# Altium PCB DM1092.PcbDoc (part 2 of 5) (continued)
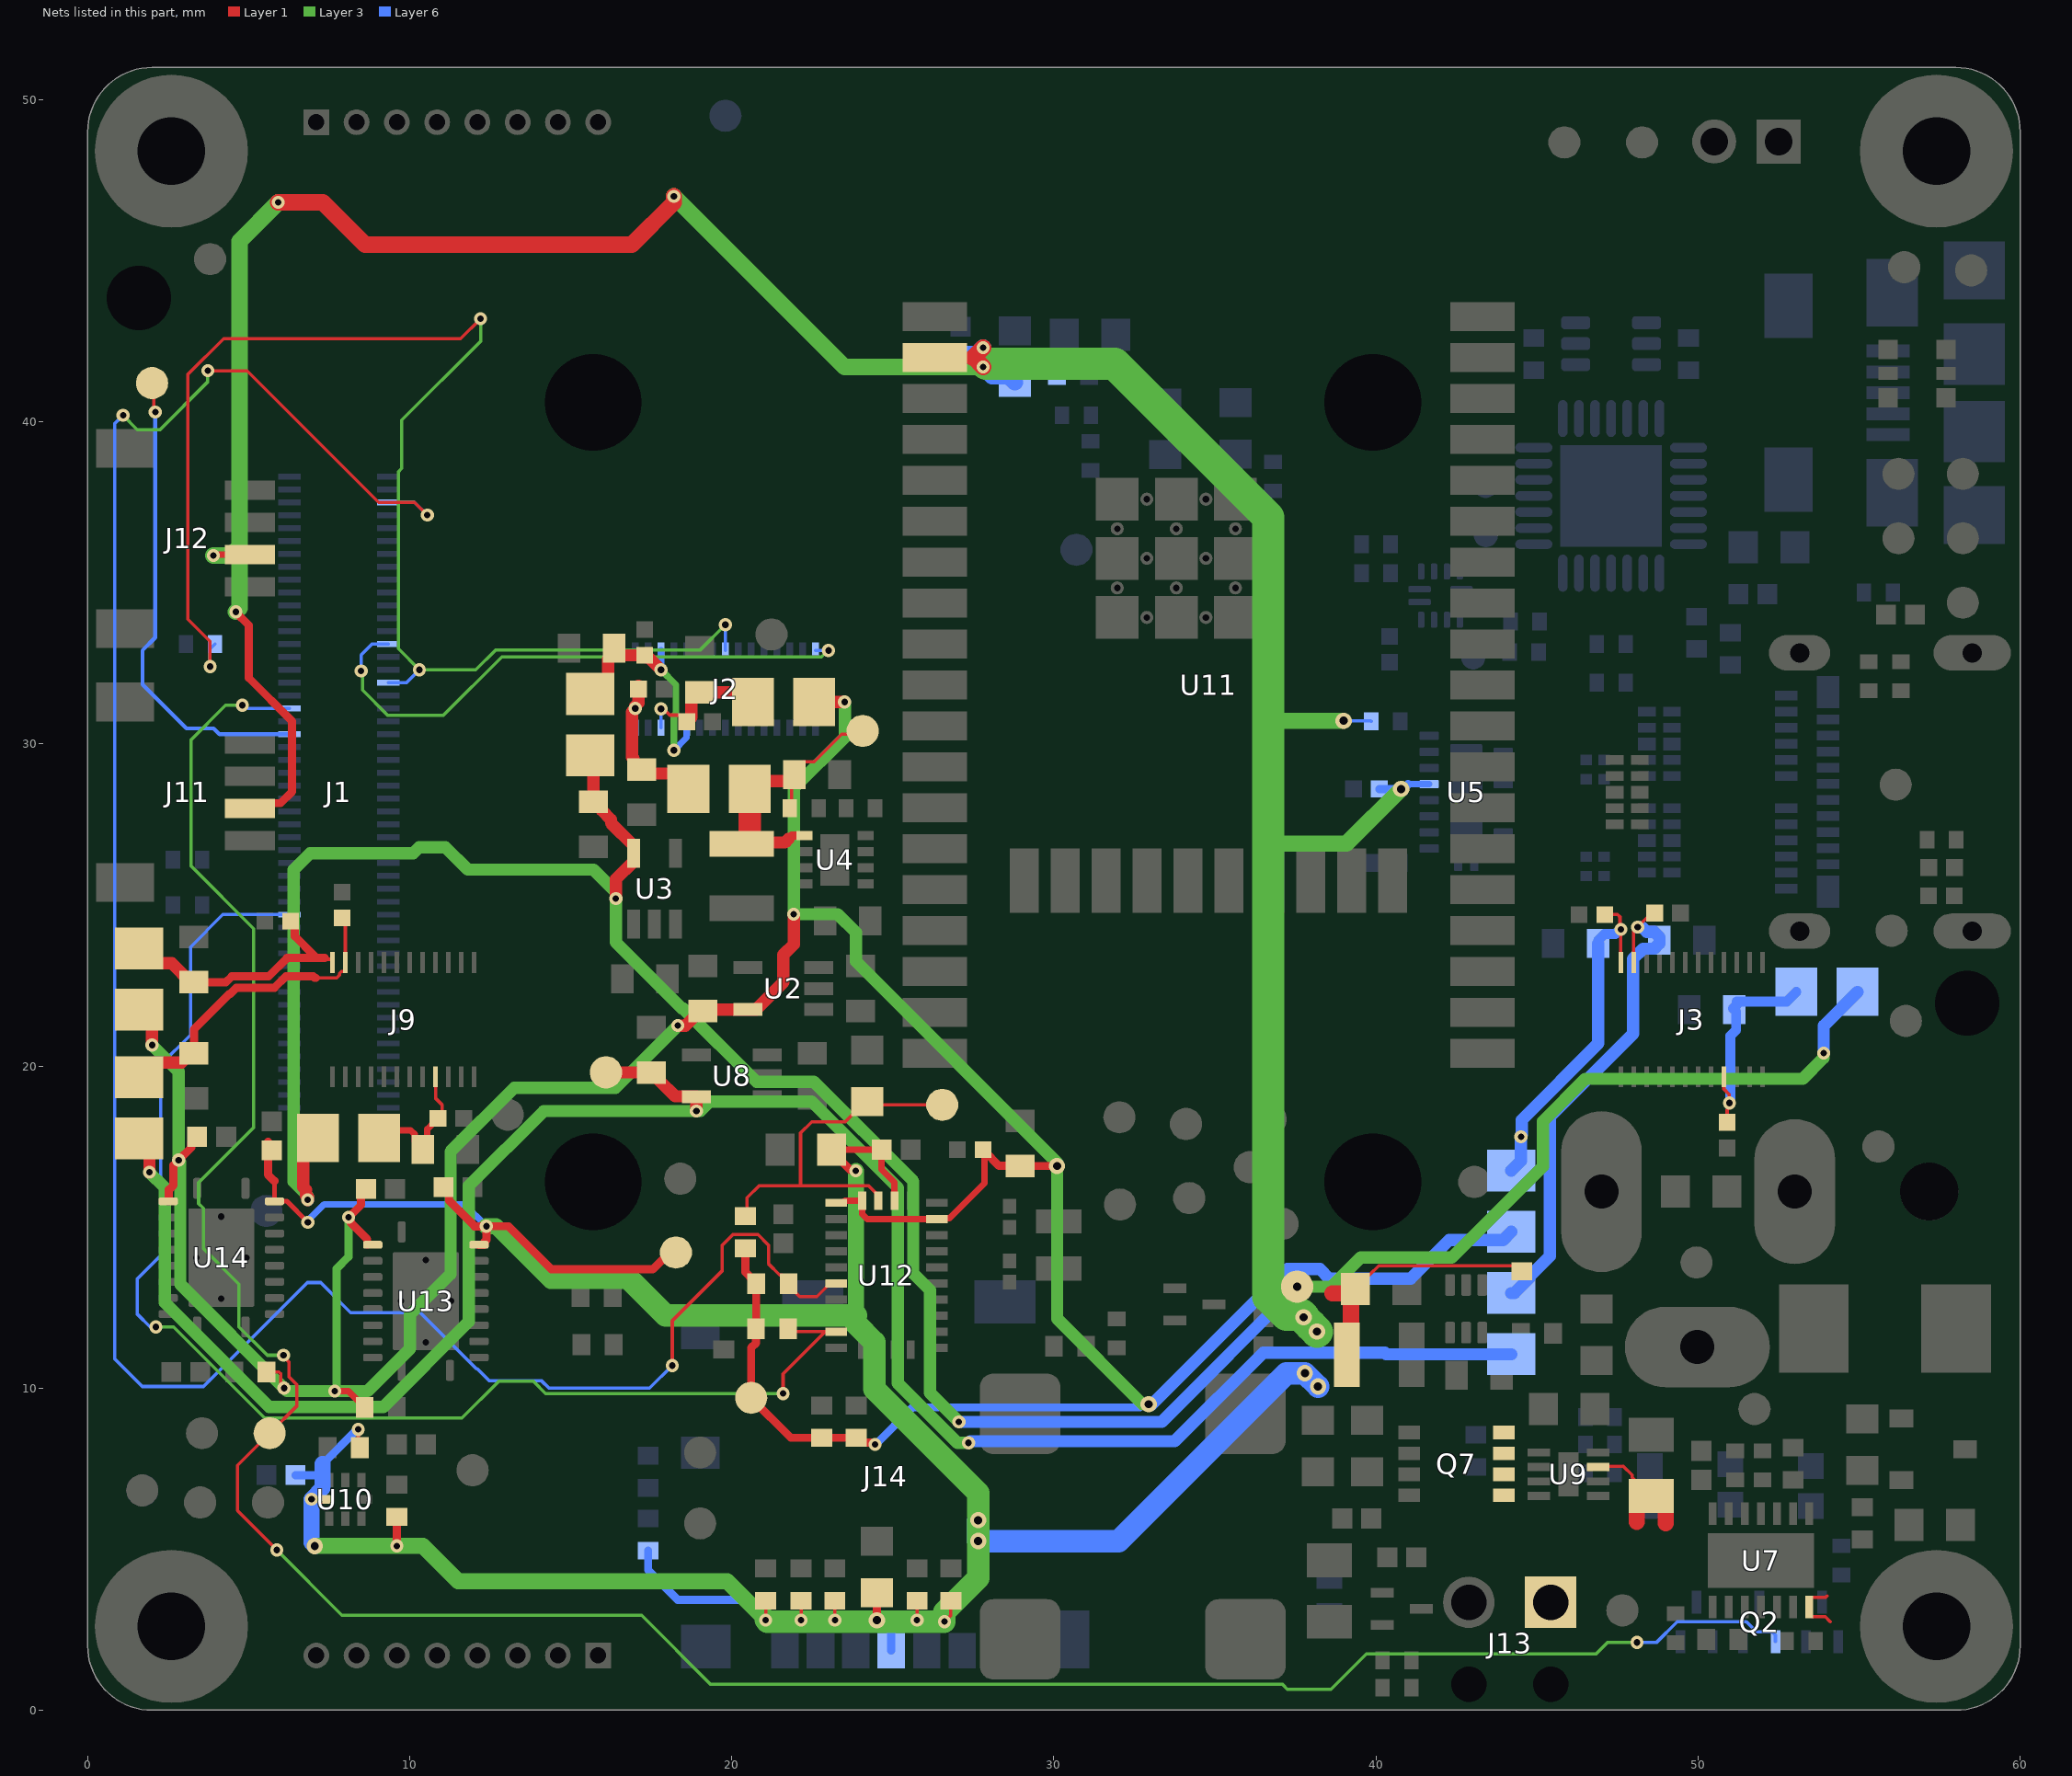
[diagram p6: the nets of this part, all layers, seen from the top]
## Part data (continued)
U5: library part HD3SS3212RKSR, "IC MUX 2:1 8 OHM 20VQFN", Case/Package=VQFN, Manufacturer 1="Texas Instruments", Max Operating Temperature=70°C, Max Supply Voltage=3.6V, Min Operating Temperature=0°C, Min Supply Voltage=3V, Supplier Part Number 1=296-42174-1-ND, Bandwidth=8GHz, ComponentLink1Description=http://www.ti.com/general/docs/lit/getliterature.tsp?genericPartNumber=HD3SS3212&&fileType=pdf&src-supplier=Avnet, ComponentLink1URL=http://www.ti.com/general/docs/lit/getliterature.tsp?genericPartNumber=HD3SS3212&&fileType=pdf&src-supplier=Avnet, ComponentLink2Description=http://www.ti.com/general/docs/lit/getliterature.tsp?genericPartNumber=HD3SS3212&amp;&amp;fileType=pdf&src-supplier=Farnell, ComponentLink2URL=http://www.ti.com/general/docs/lit/getliterature.tsp?genericPartNumber=HD3SS3212&amp;&amp;fileType=pdf&src-supplier=Farnell, ComponentLink3Description=http://www.ti.com/lit/ds/symlink/hd3ss3212.pdf?src-supplier=Digi-Key, ComponentLink3URL=http://www.ti.com/lit/ds/symlink/hd3ss3212.pdf?src-supplier=Digi-Key, ComponentLink4Description=http://www.ti.com/lit/gpn/hd3ss3212?src-supplier=Mouser, ComponentLink4URL=http://www.ti.com/lit/gpn/hd3ss3212?src-supplier=Mouser, ComponentLink5Description=http://www.ti.com/general/docs/lit/getliterature.tsp?genericPartNumber=HD3SS3212&&fileType=pdf&src-supplier=Element14, ComponentLink5URL=http://www.ti.com/general/docs/lit/getliterature.tsp?genericPartNumber=HD3SS3212&&fileType=pdf&src-supplier=Element14, Data Rate=480Mbps, Lead Free="Lead Free", Manufacturer Part Number 1=HD3SS3212RKSR, Mount=Standard, Number of Pins=20, Number of Ports=3, Packaging="Tape and Reel", Pricing 1="1=1.79000, 10=1.61000, 100=1.29440, 500=1.06348, 1000=0.88117 (USD)", REACH SVHC="No SVHC", RoHS=Yes, Stock 1=36674, Supplier 1=Digi-Key, USB Standard="USB 3.1"
U6: library part TUSB321RWBR, "IC USB PORT CONTROL TYPE-C 12X2Q", Manufacturer 1="Texas Instruments", Max Operating Temperature=70°C, Max Supply Voltage=5.5V, Min Operating Temperature=0°C, Min Supply Voltage=4.5V, Supplier Part Number 1=296-42400-1-ND, ComponentLink1Description=http://www.ti.com/general/docs/lit/getliterature.tsp?genericPartNumber=TUSB321&&fileType=pdf&src-supplier=Avnet+Asia, ComponentLink1URL=http://www.ti.com/general/docs/lit/getliterature.tsp?genericPartNumber=TUSB321&&fileType=pdf&src-supplier=Avnet+Asia, ComponentLink2Description=http://www.ti.com/general/docs/lit/getliterature.tsp?genericPartNumber=TUSB321&&fileType=pdf&src-supplier=Farnell, ComponentLink2URL=http://www.ti.com/general/docs/lit/getliterature.tsp?genericPartNumber=TUSB321&&fileType=pdf&src-supplier=Farnell, ComponentLink3Description=http://www.ti.com/lit/ds/symlink/tusb321.pdf?src-supplier=Digi-Key, ComponentLink3URL=http://www.ti.com/lit/ds/symlink/tusb321.pdf?src-supplier=Digi-Key, ComponentLink4Description=http://www.ti.com/general/docs/lit/getliterature.tsp?genericPartNumber=TUSB321&&fileType=pdf&src-supplier=Element14, ComponentLink4URL=http://www.ti.com/general/docs/lit/getliterature.tsp?genericPartNumber=TUSB321&&fileType=pdf&src-supplier=Element14, ComponentLink5Description=http://www.ti.com/general/docs/lit/getliterature.tsp?genericPartNumber=TUSB321&&fileType=pdf&src-supplier=Avnet, ComponentLink5URL=http://www.ti.com/general/docs/lit/getliterature.tsp?genericPartNumber=TUSB321&&fileType=pdf&src-supplier=Avnet, Contact Plating=Gold, Lead Free="Lead Free", Manufacturer Part Number 1=TUSB321RWBR, Mount="Surface Mount", Number of Pins=12, Number of Ports=1, Packaging="Tape and Reel", Pricing 1="1=2.27000, 10=2.04200, 100=1.64100, 500=1.34828, 1000=1.11714 (USD)", REACH SVHC="No SVHC", RoHS=Yes, Stock 1=7746, Supplier 1=Digi-Key, USB Standard="USB 3.1"
U7: "USB Power Manager with Ideal Diode Controller and Li-Ion Charger with 4.2 V Float Voltage, 29% Vvntc, Undervoltage Current Limit, 4.35 to 5.5 V Vin, 14-pin SON (DE-14), -40 to 85 degC, Pb-Free", Manufacturer="Linear Technology", Manufacturer 1="Analog Devices / Linear Technology", Supplier Part Number 1=LTC4085EDE#PBF-ND, Code_JEDEC=MO-229, ComponentLink1Description="Manufacturer URL", ComponentLink1URL=http://www.linear.com/, ComponentLink2Description=Datasheet, ComponentLink2URL=http://cds.linear.com/docs/en/datasheet/4085fd.pdf, ComponentLink3Description="Package Specification", ComponentLink3URL=http://www.linear.com/docs/en/packaging/DFN_14_05-08-1708.pdf, DatasheetVersion="Rev. D", Manufacturer Part Number 1=LTC4085EDE#PBF, Mounting Technology="Surface Mount", Number of Cells=1, Number of Outputs=1, PackageDescription="14-Pin Plastic DFN, Body 4 x 3 mm, Pitch 0.5 mm", PackageReference=DE-14, PackageVersion="Rev. B, 06/2010", PartNumber=LTC4085EDE#PBF, RoHS=TRUE, Supplier 1=Digi-Key, Vin Max(V)=5.5, Vin Min(V)=4.35
U8: "IC REG LINEAR 1.2V 200MA SC70-5", Case/Package=SC, Dropout Voltage=175mV, Manufacturer 1="Texas Instruments", Manufacturer Part Number 1=TLV70012DCKR, Manufacturer Part Number 2=TLV70012DCKT, Max Input Voltage=5.5V, Max Operating Temperature=125°C, Max Output Current=200mA, Max Output Voltage=1.2V, Max Power Dissipation=320mW, Min Current Limit=220mA, Min Input Voltage=2V, Min Operating Temperature=-40°C, Output Voltage Accuracy=2%, Package Quantity=1, Quiescent Current=30uA, Supplier Part Number 1=296-27438-1-ND, Accuracy=2%, ComponentLink1Description=https://datasheet.ciiva.com/26909/tlv70012dckr-26909420.pdf?src-supplier=IIIC, ComponentLink1URL=https://datasheet.ciiva.com/26909/tlv70012dckr-26909420.pdf?src-supplier=IIIC, ComponentLink2Description=https://datasheet.ciiva.com/46448/1836520-46448747.pdf?src-supplier=Element14, ComponentLink2URL=https://datasheet.ciiva.com/46448/1836520-46448747.pdf?src-supplier=Element14, ComponentLink3Description=http://components.arrow.com/part/dataview/48874348S9524109N7713?src-supplier=Arrow, ComponentLink3URL=http://components.arrow.com/part/dataview/48874348S9524109N7713?src-supplier=Arrow, ComponentLink4Description=http://components.arrow.com/part/dataview/0323_02210905?src-supplier=Arrow+Europe, ComponentLink4URL=http://components.arrow.com/part/dataview/0323_02210905?src-supplier=Arrow+Europe, ComponentLink5Description=http://www.ti.com/general/docs/lit/getliterature.tsp?genericPartNumber=TLV700&&fileType=pdf&src-supplier=Avnet, ComponentLink5URL=http://www.ti.com/general/docs/lit/getliterature.tsp?genericPartNumber=TLV700&&fileType=pdf&src-supplier=Avnet, ComponentLink6Description=http://focus.ti.com/lit/ds/symlink/tlv70033.pdf?src-supplier=Avnet, ComponentLink6URL=http://focus.ti.com/lit/ds/symlink/tlv70033.pdf?src-supplier=Avnet, ComponentLink7Description=http://www.ti.com/lit/ds/slvsa00e/slvsa00e.pdf?src-supplier=Digi-Key, ComponentLink7URL=http://www.ti.com/lit/ds/slvsa00e/slvsa00e.pdf?src-supplier=Digi-Key, ComponentLink8Description=http://www.ti.com/litv/slvsa00d?src-supplier=Mouser, ComponentLink8URL=http://www.ti.com/litv/slvsa00d?src-supplier=Mouser, Contact Plating=Gold, Lead Free="Lead Free", Manufacturer 2="Texas Instruments", Min Output Voltage=1.2V, Nominal Output Voltage=1.2V, Number of Outputs=1, Number of Pins=5, Number of Regulators=1, Output Current=200mA, Output Type=Fixed, Output Voltage=1.2V, Packaging="Tape and Reel", Polarity=Positive, Power Dissipation=320mW, Pricing 1="1=0.48000, 10=0.40900, 100=0.30570, 500=0.24020, 1000=0.18561 (USD)", Pricing 2="1=0.43000, 10=0.38000, 25=0.35000, 100=0.30000, 250=0.27000, 500=0.21000, 750=0.16000, 1000=0.14000 (USD)", Radiation Hardening=No, REACH SVHC="No SVHC", RoHS=Yes, Stock 1=8389, Stock 2=250, Supplier 1=Digi-Key, Supplier 2="TI store", Supplier Part Number 2=TLV70012DCKT
U9: "IC OVERVOLTAGE/CUR PROT 8-DFN Handheld/Mobile Devices PMIC 8-DFN (2x2)", Case/Package=DFN, Manufacturer 1="Analog Devices / Linear Technology", Max Operating Temperature=70°C, Max Supply Voltage=5.5V, Min Operating Temperature=0°C, Min Supply Voltage=2.5V, Package Quantity=1, Supplier Part Number 1=LTC4361CDC-1#TRMPBFCT-ND, ComponentLink1Description=https://datasheet.ciiva.com/1569/1441932-1569140.pdf?src-supplier=Farnell, ComponentLink1URL=https://datasheet.ciiva.com/1569/1441932-1569140.pdf?src-supplier=Farnell, ComponentLink2Description=https://datasheet.ciiva.com/1569/1441932-1569141.pdf?src-supplier=Farnell, ComponentLink2URL=https://datasheet.ciiva.com/1569/1441932-1569141.pdf?src-supplier=Farnell, ComponentLink3Description=https://datasheet.ciiva.com/1941/29266-1941719.pdf?src-supplier=Digi-Key, ComponentLink3URL=https://datasheet.ciiva.com/1941/29266-1941719.pdf?src-supplier=Digi-Key, ComponentLink4Description=https://datasheet.ciiva.com/1511/1692593-1511384.pdf?src-supplier=Element14, ComponentLink4URL=https://datasheet.ciiva.com/1511/1692593-1511384.pdf?src-supplier=Element14, ComponentLink5Description=https://datasheet.ciiva.com/1941/29266-1941720.pdf?src-supplier=Digi-Key, ComponentLink5URL=https://datasheet.ciiva.com/1941/29266-1941720.pdf?src-supplier=Digi-Key, ComponentLink6Description=https://datasheet.ciiva.com/1941/29266-1941721.pdf?src-supplier=Digi-Key, ComponentLink6URL=https://datasheet.ciiva.com/1941/29266-1941721.pdf?src-supplier=Digi-Key, Length=2mm, Manufacturer Part Number 1=LTC4361CDC-1#TRMPBF, Number of Pins=8, Packaging="Tape and Reel", Pricing 1="1=3.62000, 25=2.40680, 100=1.99000, 250=1.89048 (USD)", REACH SVHC="No SVHC", RoHS=Yes, Stock 1=4205, Supplier 1=Digi-Key
U10: "IC GPIO EXPANDER 8XQFN", Ambient Temperature Range High=+85°C, Ambient Temperature Range Low=-40°C, Frequency=1000kHz, Manufacturer 1=NXP, Max Junction Temp=+125°C, Max Supply Voltage=3.6V, Min Supply Voltage=1.1V, Nominal Supply Current=50uA, Package=SOT902-2, Temperature="-40°C to +85°C", Automotive=No, Category=IC, ComponentLink2Description=Datasheet, ComponentLink2URL=https://www.nxp.com/docs/en/data-sheet/PCA9570.pdf, Device Class L1="Integrated Circuits (ICs)", Device Class L2="Interface ICs", Device Class L3="I/O Expanders", Digikey Description="IC GPIO EXPANDER 8XQFN", Footprint Url=https://www.nxp.com/docs/en/package-information/SOT902-2.pdf, Height=0.5mm, Interface=I2C, Lead Free=Yes, Manufacturer Part Number=PCA9570GMH, Manufacturer Part Number 1=PCA9570GMH, Mouser Description="PCA9570 Series Remote 3.6 V 4-Bit General Purpose I2C/SMBus GPIO Expander-XQFN-8", Number Of I/Os=4, Octopart=https://octopart.com/pca9570gmh-nxp+semiconductors-29814283, RoHS=TRUE, Standoff Height=0mm, Temperature Range High=+85°C, Temperature Range Low=-40°C
U11: library part ESP32-WROOM-32D, "ESP32-WROOM-32D MODULE: Wi-Fi/BT BLE, ESP32-D0WD, SPI Flash, UART, P", Case/Package=SMD/SMT, Frequency=2.5GHz, Manufacturer 1="Espressif Systems", Max Operating Temperature=85°C, Min Operating Temperature=-40°C, Supplier Part Number 1=1904-1023-1-ND, Category="RF Receivers, Transceivers", ComponentLink1Description=https://www.espressif.com/sites/default/files/documentation/esp32-wroom-32d_esp32-wroom-32u_datasheet_en.pdf?src-supplier=Digi-Key, ComponentLink1URL=https://www.espressif.com/sites/default/files/documentation/esp32-wroom-32d_esp32-wroom-32u_datasheet_en.pdf?src-supplier=Digi-Key, Data Rate=150Mbps, Interface=I2C,SPI,GPIO,PWM,SDIO,UART, Manufacturer Part Number 1=ESP32-WROOM-32D, Memory Size=536KB, Mount="Surface Mount", Packaging="Cut Tape", Pricing 1="1=3.80000 (USD)", RoHS=Yes, Sensitivity=-98dBm, Stock 1=2394, Supplier 1=Digi-Key, Supplier 2=Mouser, Supplier 3=Arrow, Supplier Part Number 2=356-ESP32WROOM-32D, Supplier Part Number 3=ESP32-WROOM-32D
U12: "IMU ACCEL/GYRO/MAG I2C 32BIT", Case/Package=LGA, Manufacturer 1="Hillcrest Laboratories", Max Operating Temperature=85°C, Min Operating Temperature=-40°C, Supplier Part Number 1=1888-1006-1-ND, Category="Inertial Measurement Units (IMUs)", ComponentLink1Description=https://www.hillcrestlabs.com/downloads/bno080-datasheet?src-supplier=Digi-Key, ComponentLink1URL=https://www.hillcrestlabs.com/downloads/bno080-datasheet?src-supplier=Digi-Key, ComponentLink2Description=https://www.hillcrestlabs.com/downloads/bno080-migration-guide?src-supplier=Digi-Key, ComponentLink2URL=https://www.hillcrestlabs.com/downloads/bno080-migration-guide?src-supplier=Digi-Key, Manufacturer Part Number 1=BNO085, Mount="Surface Mount", Output Type=SPI,I2C, Packaging="Tape and Reel", Pricing 1="1=11.85000, 5=10.31200, 10=9.28100, 25=8.25000, 50=7.63120, 100=6.60000, 500=6.18750, 1000=5.77500 (USD)", RoHS=No, Sensor Type=Accelerometer,Gyroscope,Magnetometer, Stock 1=11593, Supplier 1=Digi-Key
U13 U14: "IC TRNSLTR BIDIRECTIONAL 20VQFN", Case/Package=VQFN, High Level Output Current=-50mA, Low Level Output Current=50mA, Manufacturer 1="Texas Instruments", Max Operating Temperature=85°C, Max Supply Voltage=5.5V, Min Operating Temperature=-40°C, Min Supply Voltage=1.2V, Package Quantity=1, Quiescent Current=3uA, Supplier Part Number 1=296-24806-1-ND, Category="Integrated Circuits (ICs)", ComponentLink1Description=https://datasheet.ciiva.com/15096/getdatasheetpartid-189651-15096225.pdf?src-supplier=Verical, ComponentLink1URL=https://datasheet.ciiva.com/15096/getdatasheetpartid-189651-15096225.pdf?src-supplier=Verical, ComponentLink2Description=https://datasheet.ciiva.com/22659/1718976-22659572.pdf?src-supplier=Element14, ComponentLink2URL=https://datasheet.ciiva.com/22659/1718976-22659572.pdf?src-supplier=Element14, ComponentLink3Description=https://datasheet.ciiva.com/26185/txs0108e-26185177.pdf?src-supplier=Avnet+Europe, ComponentLink3URL=https://datasheet.ciiva.com/26185/txs0108e-26185177.pdf?src-supplier=Avnet+Europe, ComponentLink4Description=https://datasheet.ciiva.com/14287/txs0108e-14287692.pdf?src-supplier=Avnet, ComponentLink4URL=https://datasheet.ciiva.com/14287/txs0108e-14287692.pdf?src-supplier=Avnet, ComponentLink5Description=https://datasheet.ciiva.com/1899/txs0108e-1899610.pdf?src-supplier=Digi-Key, ComponentLink5URL=https://datasheet.ciiva.com/1899/txs0108e-1899610.pdf?src-supplier=Digi-Key, ComponentLink6Description=https://datasheet.ciiva.com/1899/txs0108e-1899611.pdf?src-supplier=Digi-Key, ComponentLink6URL=https://datasheet.ciiva.com/1899/txs0108e-1899611.pdf?src-supplier=Digi-Key, ComponentLink7Description=https://datasheet.ciiva.com/1899/txs0108e-1899612.pdf?src-supplier=Digi-Key, ComponentLink7URL=https://datasheet.ciiva.com/1899/txs0108e-1899612.pdf?src-supplier=Digi-Key, ComponentLink8Description=https://datasheet.ciiva.com/14287/txs0108e-14287533.pdf?src-supplier=Avnet, ComponentLink8URL=https://datasheet.ciiva.com/14287/txs0108e-14287533.pdf?src-supplier=Avnet, ComponentLink9Description=https://datasheet.ciiva.com/48701/001073880-da-01-en-ic-xlatr-volt-lv-txs0108ergyr-qfn-20-tid-48701964.pdf?src-supplier=Conrad, ComponentLink9URL=https://datasheet.ciiva.com/48701/001073880-da-01-en-ic-xlatr-volt-lv-txs0108ergyr-qfn-20-tid-48701964.pdf?src-supplier=Conrad, Data Rate=60Mbps, Lead Free="Lead Free", Logic Function=Translator, Manufacturer Part Number 1=TXS0108ERGYR, Mount="Surface Mount", Number of Bits=8, Number of Channels=8, Number of Inputs=8, Number of Pins=20, Output Type=Voltage, Packaging="Tape and Reel", Pricing 1="1=1.42000, 10=1.26600, 25=1.20120, 100=0.98670, 250=0.92236, 500=0.81510, 1000=0.64350 (USD)", Propagation Delay=4.8ns, Radiation Hardening=No, REACH SVHC="No SVHC", RoHS=Yes, Stock 1=122729, Supplier 1=Digi-Key, Supplier 2=Digi-Key, Supplier 3=Arrow, Supplier 4="TI store", Supplier 5=Mouser, Supplier Part Number 2=296-24806-2-ND, Supplier Part Number 3=TXS0108ERGYR, Supplier Part Number 4=TXS0108ERGYR, Supplier Part Number 5=595-TXS0108ERGYR, Turn-On Delay Time=312ns, Weight=0.001517oz
U15: "IC USB TO UART BRIDGE QFN28", Manufacturer 1="Silicon Labs", Supplier Part Number 1=336-5890-1-ND, Manufacturer Part Number 1=CP2102N-A02-GQFN28R, Pricing 1="1=1.40000, 25=1.35160, 100=1.29950 (USD)", RoHS=Yes, Stock 1=3731, Supplier 1=Digi-Key, Supplier 2=Digi-Key, Supplier 3=Mouser, Supplier 4=Verical, Supplier Part Number 2=336-5890-2-ND, Supplier Part Number 3=634-CP2102NA02QFN28R, Supplier Part Number 4=CP2102N-A02-GQFN28R
Y1: "CRYSTAL 32.768kHz ±20ppm Crystal 12.5pF 90 kOhms 2-SMD, No Lead", Case/Package=SMD/SMT, ESR (Equivalent Series Resistance)=90kR, Frequency=32.768kHz, Frequency Tolerance=20ppm, Load Capacitance=12.5pF, Manufacturer 1=Abracon, Max Operating Temperature=85°C, Min Operating Temperature=-40°C, Supplier Part Number 1=535-14513-1-ND, ComponentLink1Description=http://www.farnell.com/datasheets/2614114.pdf?src-supplier=Farnell, ComponentLink1URL=http://www.farnell.com/datasheets/2614114.pdf?src-supplier=Farnell, ComponentLink2Description=https://abracon.com/datasheets/ABS06-127-32.768kHz-T.pdf?src-supplier=Digi-Key, ComponentLink2URL=https://abracon.com/datasheets/ABS06-127-32.768kHz-T.pdf?src-supplier=Digi-Key, ComponentLink3Description=http://www.farnell.com/datasheets/2614114.pdf?src-supplier=Newark, ComponentLink3URL=http://www.farnell.com/datasheets/2614114.pdf?src-supplier=Newark, Manufacturer Part Number 1=ABS06-127-32.768KHZ-T, Mount="Surface Mount", Packaging="Tape and Reel", Pricing 1="1=0.69000, 10=0.60700, 50=0.56760, 100=0.50160, 500=0.47520, 1000=0.39600 (USD)", RoHS=Yes, Stock 1=1640, Supplier 1=Digi-Key, Supplier 2=Digi-Key, Supplier 3=Mouser, Supplier 4=Verical, Supplier Part Number 2=535-14513-6-ND, Supplier Part Number 3=815-ABS0612732.768KT, Supplier Part Number 4=ABS06-127-32.768KHZ-T

## Free pads (board coordinates)
  round 1.524 hole 2 unplated: 1(1.586,43.839) 1(58.35,21.95)

## Via types
v1: diameter 0.406, hole 0.203, Layer 1 to Layer 6, tented both sides, 495 vias
v2: diameter 0.508, hole 0.254, Layer 1 to Layer 6, tented both sides, 29 vias
v3: diameter 0.508, hole 0.254, Layer 1 to Layer 6, tented top, 16 vias
v4: diameter 0.5, hole 0.2, Layer 1 to Layer 6, 6 vias
v5: diameter 0.406, hole 0.203, Layer 1 to Layer 6, tented bottom, 2 vias

## Nets (pads, with @x,y where several pads share a name; then routed paths per layer and width w, separated by ;. In a path a pad name is that pad's centre, name@x,y a point inside that pad or via, vN(x,y) a via of type N, cw(c..) or ccw(c..) an arc to the next point about the centre after c; other vN are vias at no path point)
1V2: C39.2 FB6.1 FB9.1 TP10.1 U8.5 | length 67.5
  Layer 1 w0.381: FB9.1@1.6,17.75 1.916,17.434 v1(1.916,16.7) ; TP10.1@16.321,19.804 16.322,19.802 17.498,19.802 C39.2@17.5,19.8 17.6,19.8 17.759,19.641 17.759,19.541 18.241,19.06 18.89,19.06 U8.5@18.9,19.05 v1(18.9,18.6)
  Layer 3 w0.381: v1(1.916,16.7) 2.394,16.223 2.394,12.658 5.639,9.413 9.186,9.413 11.838,12.065 11.838,16.277 14.161,18.6 v1(18.9,18.6) 18.905,18.605 19.026,18.605 19.315,18.894 22.478,18.894 25.152,16.22 25.152,10.15 27.002,8.3 v1(27.35,8.3)
  Layer 6 w0.381: v1(27.35,8.3) 27.4,8.35 33.75,8.35 36.501,11.101 40.267,11.101 40.318,11.05 FB6.1@44.2,11.05
1V2_L: C7.2 C8.2 FB6.2 J3.2 | length 15.8
  Layer 1 w0.102: J3.2@47.981,23.424 48,23.444 48,24.191 v1@48.118,24.308 ; v1(48.125,24.308) v1@48.118,24.308 ; C7.2@48.65,24.75 48.454,24.553 48.454,24.644 v1@48.118,24.308
  Layer 6 w0.381: FB6.2@44.2,12.95 44.3,12.95 44.76,13.41 44.76,13.46 45.4,14.1 45.4,18.419 47.981,21 47.981,23.329 48.292,23.64 48.641,23.64 48.8,23.8 48.8,24 48.641,24.159 48.404,24.159 48.26,24.304 48.13,24.304 v1(48.125,24.308)
1V2_R: C23.2 C24.2 FB9.2 J9.2 | length 9.9
  Layer 1 w0.102: 7.095,22.734 7.098,22.737 7.737,22.737 7.826,22.826 7.826,22.879 7.885,22.939 7.976,22.939 8,22.963 J9.2@8,23.213 8,24.5 C23.2@7.9,24.6
  Layer 1 w0.254: C24.2@3.3,20.4 3.3,21.131 4.415,22.246 4.438,22.246 4.622,22.43 5.802,22.43 6.154,22.782 7,22.782 7.048,22.734 7.095,22.734
  Layer 1 w0.381: FB9.2@1.6,19.65 2.06,20.109 2.909,20.109 3.2,20.4 C24.2@3.3,20.4
1V05: C22.2 FB3.1 L1.2 R7.2 TP13.1 U4.5 | length 8.9
  Layer 1 w0.102: R7.2@21.8,28 21.808,28 21.851,28.043 C22.2@21.851,28.85 ; C22.2@21.947,29.046 21.947,29.146 22.247,29.445 22.555,29.445 23.41,30.3 23.961,30.3 TP13.1@24.063,30.402
  Layer 1 w0.254: 21.755,27.046 21.859,27.15 U4.5@22.25,27.15
  Layer 1 w0.381: L1.2@20.3,26.9 L1.2@20.498,27.098 ; L1.2@20.498,26.939 21.648,26.939 21.755,27.046 ; FB3.1@20.55,28.6 20.8,28.85 21.851,28.85 21.947,28.946 C22.2@21.947,29.046
  Layer 1 w0.7: L1.2@20.55,27.046 FB3.1@20.55,28.6
1V05_IMX378: C1.2 C2.2 FB3.2 J2.15 | length 5.1
  Layer 1 w0.381: C1.2@17.1,31.8 17.1,31.276 17,31.176 17,31.093 16.9,30.993 16.9,29.583 16.94,29.542 16.94,29.36 17.1,29.2 C2.2@17.2,29.2 ; C2.2@17.2,29.05 17.229,29.079 18.191,29.079 18.65,28.619 FB3.2@18.65,28.6
  Layer 6 w0.102: J2.15@17,30.5 v1(17,31.1)
1V8: C18.2 C43.2 C45.2 C50.2 C52.2 FB2.1 FB5.1 FB8.1 R29.2 R30.2 R35.2 R37.1 R38.1 R39.2 R40.1 TP11.1 U2.5 U12.5 U12.6 U12.28 U13.2 U14.2 | length 122.1
  Layer 1 w0.102: R40.1@5.55,10.5 5.94,10.5 6,10.44 v1@6,10.1
  Layer 1 w0.2: v1(7.669,9.906) 8.094,9.906 R39.2@8.6,9.4 ; U12.6@23.237,15.75 23.45,15.75 23.513,15.813 U12.5@24.05,15.813 24.05,15.4 24.2,15.25 U12.28@26.363,15.25 26.388,15.275 26.76,15.275 27.85,16.365 27.85,17.35 C45.2@27.8,17.4 ; C43.2@28.95,16.9 C43.2@28.955,16.895
  Layer 1 w0.254: U14.2@2.5,15.8 2.515,15.8 2.522,15.807 2.522,16.159 2.663,16.3 2.663,16.915 v1(2.826,17.078) 3.217,17.469 3.217,17.617 C52.2@3.4,17.8 ; C50.2@8.636,16.286 8.489,16.139 8.489,15.689 v1(8.1,15.3) 8.1,15.259 8.176,15.183 8.176,15.124 8.677,14.623 U13.2@8.677,14.457 ; R35.2@20.422,14.339 20.422,13.597 20.645,13.373 20.675,13.373 20.76,13.289 R29.2@20.76,13.239 20.755,13.234 20.755,11.847 R30.2@20.75,11.842 20.75,11.404 20.6,11.254 TP11.1@20.6,9.7 20.6,9.692 21.835,8.457 R38.1@23.705,8.457 ; R38.1@23.725,8.457 R38.1@23.859,8.457 24.007,8.309 24.35,8.309 24.409,8.25 v1(24.45,8.25) ; C45.2@27.85,17.35 28.3,16.9 C43.2@28.95,16.9 ; C43.2@28.955,16.895 v2(30.095,16.895)
  Layer 1 w0.381: v1(2,20.65) 2,21.35 FB8.1@1.6,21.75 1.608,21.75 FB8.1@2.067,22.21 ; v1(18.321,21.254) 18.554,21.254 19,21.7 C18.2@19.1,21.7 ; C18.2@19.15,21.75 20.75,21.75 21.6,22.6 21.6,23.455 21.923,23.778 v1(21.923,24.713) ; FB2.1@22.55,31.3 v1(23.5,31.3)
  Layer 3 w0.254: v1@7.732,9.969 7.732,13.71 8.1,14.078 v1(8.1,15.3)
  Layer 3 w0.381: v1(2,20.65) 2.826,19.824 v1(2.826,17.078) 2.875,17.03 2.875,13.221 v1(6.096,10) 6.1,10 6.194,9.906 8.691,9.906 10.006,11.222 10.006,12.283 11.268,13.545 11.268,17.346 13.243,19.321 16.388,19.321 v1(18.321,21.254) ; v1(23.5,31.3) 23.508,31.308 23.508,30.209 21.923,28.625 v1(21.923,24.713) 23.287,24.713 23.85,24.15 23.85,23.25 v2@30.1,17 ; v2@30.1,16.895 30.1,12.152 32.752,9.5 v2(32.944,9.5)
  Layer 6 w0.254: v1(24.45,8.25) 24.461,8.25 25.611,9.4 32.668,9.4 32.719,9.451 32.895,9.451 v2(32.944,9.5)
  Layer 6 w0.381: v2(32.944,9.5) 33.05,9.5 37.245,13.695 38.255,13.695 38.55,13.4 41.077,13.4 42.274,14.597 43.947,14.597 FB5.1@44.2,14.85
1V8_IMX378: C3.2 C4.2 FB2.2 J2.13 | length 4.4
  Layer 1 w0.102: v1(17.8,31.086) 17.882,31.086 18.075,30.894 18.392,30.894 C3.2@18.601,30.684
  Layer 1 w0.381: C3.2@18.601,30.684 18.741,30.824 18.741,31.441 18.9,31.6 20.35,31.6 FB2.2@20.65,31.3
  Layer 6 w0.102: J2.13@17.8,30.5 v1@17.8,30.986
1V8_L: C9.2 C10.2 FB5.2 J3.1 | length 10.9
  Layer 1 w0.102: C9.2@47.1,24.7 47.5,24.7 47.574,24.626 47.574,24.263 v1(47.6,24.238) J3.1@47.6,23.374
  Layer 6 w0.305: C10.2@46.9,23.8 46.9,23.9 47.098,24.098 47.433,24.098 47.573,24.238 v1(47.6,24.238)
  Layer 6 w0.381: FB5.2@44.2,16.75 44.5,17.05 v1@44.5,17.834 ; v1(44.5,17.8) v1@44.5,17.834 ; C10.2@46.9,23.8 46.9,20.7 44.524,18.324 44.524,17.859 v1@44.5,17.834
1V8_R: C25.2 C26.2 FB8.2 J9.1 | length 8.3
  Layer 1 w0.102: C26.2@3.3,22.6 C26.2@3.4,22.6 ; 7.366,23.348 7.402,23.312 J9.1@7.6,23.312
  Layer 1 w0.254: C26.2@3.4,22.6 4.291,22.6 4.475,22.784 5.62,22.784 6.19,23.354 6.962,23.354 ; C25.2@6.3,24.5 6.433,24.367 6.433,24.027 7.034,23.426 6.962,23.354 ; 7.36,23.354 6.962,23.354
  Layer 1 w0.381: FB8.2@1.6,23.65 1.7,23.65 2.16,23.191 2.609,23.191 3.2,22.6 C26.2@3.4,22.6
2V8: C20.2 FB1.1 FB4.1 FB7.1 TP12.1 U3.5 | length 85.6
  Layer 1 w0.102: 6.693,16.241 6.848,16.241
  Layer 1 w0.381: v1(6.832,15.843) 6.832,15.938 6.784,15.986 6.784,16.15 6.693,16.241 6.693,17.301 FB7.1@7.153,17.76 ; FB1.1@15.6,29.65 15.7,29.55 C20.2@15.7,28.2 15.8,28.2 15.96,28.041 15.96,27.941 16.25,27.65 16.25,27.539 16.93,26.859 16.94,26.859 16.95,26.85 U3.5@16.95,26.6 16.94,26.59 16.94,26.34 16.405,25.805 16.405,25.205 v1(16.4,25.2)
  Layer 3 w0.381: v1@6.845,15.952 6.392,16.406 6.392,26.09 6.908,26.606 10.108,26.606 10.296,26.794 11.109,26.794 11.806,26.096 15.698,26.096 16.395,25.399 16.395,25.205 v1(16.4,25.2) 16.4,23.839 18.445,21.794 18.479,21.794 20.77,19.503 22.549,19.503 25.633,16.419 25.633,13.556 26.15,13.039 26.15,9.85 v1(27.05,8.95) ; v2(37.55,13.15) 38.621,13.15 39.522,14.051 42.351,14.051 45.179,16.879 45.179,18.279 46.5,19.6 53.25,19.6 53.895,20.245 53.895,20.395 v1(53.9,20.4)
  Layer 6 w0.381: v1(27.05,8.95) 33.35,8.95 v2(37.55,13.15) ; v1(53.9,20.4) 53.9,21.25 FB4.1@54.95,22.3
2V8_IMX378: C5.2 C6.2 FB1.2 J2.11 J2.18 | length 7.5
  Layer 1 w0.381: FB1.2@15.6,31.55 15.7,31.55 16.159,32.01 16.159,32.63 16.399,32.87 C6.2@16.399,32.97 ; C6.2@16.4,32.9 16.55,32.75 17.29,32.75 17.359,32.681 17.42,32.681 v1(17.8,32.3)
  Layer 3 w0.203: v1(17.8,32.3) 18.268,31.832 18.268,30.945 18.2,30.877 v1(18.2,29.8)
  Layer 6 w0.203: v1@17.8,32.4 J2.18@17.8,32.9 ; v1(18.2,29.8) 18.592,30.192 18.592,30.492 J2.11@18.6,30.5
2V8_L: C11.2 C12.2 FB4.2 J3.16 | length 6.7
  Layer 1 w0.102: J3.16@50.8,19.762 50.8,19.285 50.969,19.115 50.969,18.705 50.9,18.636 C11.2@50.9,18.25
  Layer 6 w0.305: v1@51,19 51,20.932 51.181,21.113 51.181,21.686 C12.2@51.119,21.748 ; C12.2@51.083,21.784 51.2,21.9 51.2,22 52.75,22 FB4.2@53.05,22.3
  other v1: 50.972,18.851
2V8_R: C27.2 C28.2 FB7.2 J9.16 | length 4.6
  Layer 1 w0.102: J9.16@10.8,19.762 10.8,19 11,18.8 11,18.4 10.924,18.324 C27.2@10.855,18.255
  Layer 1 w0.2: FB7.2@9.053,17.76 9.292,18 10.033,18 10.15,17.883 10.15,17.655 C28.2@10.4,17.405 10.543,17.548 10.543,18.043 10.551,18.043 10.763,18.255 C27.2@10.855,18.255
3V3: C16.1 C35.2 C42.2 C44.2 C49.2 C53.2 C55.2 C56.2 C59.2 C61.2 J11.3 J12.3 J14.4 L2.2 R5.2 R13.2 R41.2 R62.2 R63.2 R64.2 R65.2 R66.2 R67.2 R68.2 R69.2 TP29.1 U5.6 U10.8 U11.2 U12.3 U13.19 U14.19 | length 213.7
  Layer 1 w0.102: v1(6.95,6.55) 6.954,6.546 U10.8@7.4,6.546 ; v1(8.4,8.717) 8.4,8.2 R63.2@8.45,8.15 ; v1(21.05,2.8) R69.2@21.05,3.4 ; v1(22.15,2.8) R68.2@22.15,3.4 ; v1(23.2,2.8) R67.2@23.2,3.4 ; v1(25.75,2.8) R66.2@25.75,3.4 ; v1(26.6,2.75) 26.8,2.95 R65.2@26.8,3.4 ; C16.1@39.352,13.07 39.352,13.12 39.751,13.519 39.801,13.519 40.082,13.8 44.35,13.8 R5.2@44.525,13.625
  Layer 1 w0.15: 5.8,16.428 U14.19@5.8,15.8 6.188,15.8 v1(6.838,15.15)
  Layer 1 w0.2: v1(3.9,35.85) 3.93,35.88 J12.3@5.037,35.88 ; C42.2@22.835,17.135 C42.2@23.1,17.4 C44.2@24.65,17.4 24.65,16.79 25.05,16.39 U12.3@25.05,15.813
  Layer 1 w0.203: U11.2@26.3,41.99 27.49,41.99 27.51,41.99
  Layer 1 w0.25: v1(4.6,34.1) 4.6,34.082 5,33.682 5,32.05 6.347,30.703 6.347,28.518 5.986,28.157 5.194,28.157 J11.3@5.037,28 J11.3@4.987,28.05
  Layer 1 w0.254: C53.2@5.6,17.65 5.6,16.628 5.8,16.428 ; v1(9.6,5.1) 9.6,5.2 R62.2@9.6,6 ; C49.2@11.05,16.3 11.22,16.13 11.22,15.82 12.016,15.024 v1(12.378,15.025) ; U13.19@12.15,14.45 12.316,14.45 12.323,14.457 12.323,14.543 12.378,14.599 v1(12.378,15.025) ; v1(12.378,15.025) v1(12.378,15.025) ; v1@12.38,15.025 13.063,15.025 14.4,13.687 17.541,13.687 18.064,14.21 TP29.1@18.264,14.21 ; C42.2@22.835,17.135 23.315,17.135 v1@23.678,16.772 ; C59.2@24.5,3.65 24.5,2.799 v2(24.506,2.793)
  Layer 1 w0.5: 38.648,12.943 C16.1@39.225,12.943 ; L2.2@39.101,11.038 39.222,11.16 39.222,12.941 C16.1@39.225,12.943 ; C16.1@39.352,13.07 C16.1@39.225,12.943
  Layer 1 w0.508: v1(5.918,46.809) 7.303,46.809 8.617,45.495 16.893,45.495 18.201,46.804 v1(18.201,46.999) ; 27.49,41.99 v1(27.8,42.3) ; 27.51,41.99 v1(27.8,41.7)
  Layer 3 w0.5: v2(7.05,5.1) v1(9.6,5.1) 10.4,5.1 11.5,4 19.85,4 v1(21.05,2.8) ; v1(12.378,15.025) 12.675,15.025 14.379,13.321 16.871,13.321 ; 23.851,12 23.851,12.25 v1(23.851,16.743) ; v1(27.8,41.7) v1(27.8,42.3) ; 36.652,26.9 39.08,26.9 v2(40.78,28.6) ; 36.652,30.646 36.724,30.718 v2(38.992,30.718)
  Layer 3 w0.508: v1(3.9,35.85) 4.438,35.85 4.714,36.126 ; v1(4.6,34.1) 4.714,34.214 4.714,36.126 ; v1(5.918,46.809) 4.714,45.604 4.714,36.126 ; v1(18.201,46.999) 23.501,41.7 v1(27.8,41.7)
  Layer 3 w0.7: 16.871,13.321 17.943,12.25 23.851,12.25 ; v1(21.05,2.8) 21.1,2.75 24.506,2.75 v1(26.6,2.75) 26.6,3.05 27.65,4.1 v2(27.65,5.25) v2(27.65,5.9) 27.65,6.746 24.43,9.966 24.43,11.421 23.851,12
  Layer 3 w1: v1@27.901,41.801 31.89,41.801 36.652,37.039 36.652,30.646 36.652,26.9 36.652,12.84 37.218,12.274 37.676,12.274 v2(37.75,12.2) ; v2@37.649,12.274 37.973,11.95 v2(38.168,11.755)
  Layer 6 w0.102: C56.2@28.849,41.464 R41.2@30.091,41.464 ; v2(38.992,30.718) 39.833,30.718 R13.2@39.85,30.7
  Layer 6 w0.2: v1(6.838,15.15) 6.838,15.204 7.337,15.703 11.7,15.703 v1(12.378,15.025) ; 40.997,28.748 41.648,28.748 U5.6@41.65,28.75
  Layer 6 w0.254: C61.2@6.45,7.3 7.3,7.3 ; 7.3,7.65 8.367,8.717 v1(8.4,8.717) ; R64.2@17.4,4.95 17.4,4.35 18.32,3.43 20.42,3.43 v1(21.05,2.8) ; v2(24.506,2.793) 24.571,2.728 24.798,2.728 24.95,2.576 J14.4@24.95,1.85 ; C35.2@40.1,28.6 v2(40.78,28.6) 40.849,28.6 40.997,28.748
  Layer 6 w0.5: v2(7.05,5.1) 7.05,5.102 6.95,5.202 v1(6.95,6.55) 7.3,6.9 7.3,7.3 7.3,7.65
  Layer 6 w0.508: v1(27.8,42.3) 27.606,42.106 27.156,42.106 C55.2@27.1,42.05 27.45,41.7 v1(27.8,41.7) 28.083,41.417 28.587,41.417 C56.2@28.783,41.221
  Layer 6 w0.7: v2(27.65,5.9) v2(27.65,5.25) 32,5.25 37.21,10.46 v2(37.79,10.46) v2(38.2,10.05)
5V_IN1: Q7.5 Q7.6 Q7.7 Q7.8 R25.2 U9.7 | length 4.1
  Layer 1 w0.102: U9.7@47.075,7.575 47.675,7.575 47.95,7.3 47.95,7.225 R25.2@48.525,6.65
  Layer 1 w0.5: 48.1,5.85 48.1,6.375 48.375,6.65 R25.2@48.55,6.65 48.725,6.65 49,6.375 49,5.8
2485_PGOOD: J1.37 Q2.1 TP1.1 | length 82.4
  Layer 1 w0.102: v1(5.873,4.973) 4.65,6.196 4.65,7.6 TP1.1@5.65,8.6 6.5,9.45 6.5,10.1 6.25,10.35 6.25,10.809 6.079,10.98 v1(6.079,11.021)
  Layer 3 w0.102: v1(4.8,31.2) 4.286,31.2 3.209,30.123 3.209,26.21 5.154,24.265 5.154,18.088 3.446,16.38 3.446,15.728 3.594,15.58 3.594,14.331 4.698,13.227 4.698,11.901 5.579,11.021 v1(6.079,11.021) ; v1(5.873,4.973) 7.896,2.95 17.196,2.95 19.346,0.8 37.1,0.8 37.25,0.65 38.6,0.65 39.7,1.75 46.834,1.75 47.188,2.104 v1(48.104,2.104)
  Layer 6 w0.102: v1@4.976,31.1 J1.37@6.26,31.1 ; v1(48.104,2.104) 48.108,2.1 48.702,2.1 49.352,2.75 51.498,2.75 51.814,2.434 52.301,2.434 52.4,2.335 Q2.1@52.4,2.13
2485_WAKEUP: J1.41 TP3.1 | length 14.8
  Layer 1 w0.102: TP3.1@2,41.2 2.05,41.15 2.05,40.35 v1(2.1,40.3)
  Layer 6 w0.127: v1(2.1,40.3) 2.1,33.3 1.705,32.905 1.705,31.845 3.07,30.48 3.91,30.48 4.09,30.3 J1.41@6.26,30.3
BAT+: J13.1 U7.14 | length 1.8
  Layer 1 w0.102: 54,3.55 53.949,3.499 53.524,3.499 53.45,3.425 U7.14@53.45,3.2 53.45,2.975 53.524,2.901 53.949,2.901 54.1,2.75
BNO08x_BOOTN_1V8_1: R35.1 R36.1 TP26.1 U12.4 | length 11.7
  Layer 1 w0.102: R35.1@20.422,15.339 20.472,15.39 20.472,15.906 20.853,16.286 22.133,16.286 ; U12.4@24.55,15.813 24.55,15.975 24.238,16.287 22.133,16.287 22.133,17.923 22.479,18.268 23.518,18.268 24.15,18.9 R36.1@24.2,18.9 24.307,18.793 26.55,18.793 26.572,18.816 26.554,18.816 TP26.1@26.532,18.793
BNO08x_INT_1V8: J1.69 R30.1 U12.14 | length 41.6
  Layer 1 w0.102: v1(21.591,9.831) 21.591,10.441 U12.14@22.9,11.75 ; R30.1@21.75,11.842 21.842,11.75 U12.14@22.9,11.75 ; U12.14@23.237,11.75 U12.14@22.9,11.75
  Layer 3 w0.102: v1(2.117,11.9) 2.669,11.9 5.498,9.071 11.621,9.071 12.758,10.208 13.842,10.208 14.219,9.831 v1(21.591,9.831)
  Layer 6 w0.102: v1(2.117,11.9) 1.935,11.9 1.546,12.289 1.546,13.396 2.27,14.12 2.27,20.042 3.193,20.964 3.193,23.695 4.198,24.7 J1.69@6.26,24.7
BNO08x_RSTn_1V8: J1.6 R29.1 U12.11 | length 73.3
  Layer 1 w0.102: v1(3.729,41.583) 4.955,41.583 9.038,37.5 10.15,37.5 v1(10.546,37.104) ; v1(18.15,10.7) 18.15,12.09 19.705,13.645 19.705,14.436 20.034,14.765 20.809,14.765 21.135,14.439 21.135,13.863 21.486,13.513 21.536,13.513 21.76,13.289 R29.1@21.76,13.239 21.76,13.189 22.107,12.842 22.643,12.842 22.951,13.15 22.951,13.176 23.025,13.25 U12.11@23.237,13.25
  Layer 3 w0.102: v1(1.1,40.2) 1.544,39.756 2.247,39.756 3.718,41.228 3.718,41.572 v1(3.729,41.583)
  Layer 6 w0.102: v1@1.1,40.118 1.018,40.118 0.834,39.934 0.834,10.916 1.7,10.05 3.6,10.05 6.827,13.277 7.238,13.277 8.169,12.346 10.329,12.346 12.071,10.604 12.096,10.604 12.477,10.223 14.098,10.223 14.325,9.996 17.446,9.996 v1(18.15,10.7) ; J1.6@9.34,37.5 10.15,37.5 v1(10.546,37.104)
CAM_A_CLK_OUT: J1.28 J2.30 | length 18.1
  Layer 3 w0.102: v1(8.491,32.262) 8.532,32.221 8.532,31.668 9.308,30.892 11.049,30.892 12.857,32.7 22.788,32.7 22.988,32.9 v1(23,32.9)
  Layer 6 w0.102: v1(8.491,32.262) 8.491,32.763 8.828,33.1 J1.28@9.34,33.1 ; J2.30@22.6,32.9 v1(23,32.9)
CAM_A_PWDN_N: J1.34 J2.23 R1.1 | length 44.2
  Layer 1 w0.102: v1(3.8,32.4) 3.8,33.182 3.114,33.868 3.114,41.472 4.222,42.579 11.579,42.579 v1(12.2,43.2)
  Layer 3 w0.102: v1(12.2,43.2) 12.2,42.5 9.753,40.053 9.753,38.553 9.646,38.447 9.646,32.954 v1(10.3,32.3) 12.05,32.3 12.658,32.909 19.009,32.909 v1(19.8,33.7)
  Layer 6 w0.102: v1(3.8,32.4) 3.8,32.95 R1.1@3.95,33.1 ; J1.34@9.34,31.9 9.9,31.9 v1(10.3,32.3) ; J2.23@19.8,32.9 v1(19.8,33.7)